# Altium PCB HAWACO_DATALOGER_DT-G2_V1.0.3.PcbDoc (part 3 of 3)
Units mm, origin at the board's own origin, x right, y up, seen from the top; angles counter-clockwise.
Board outline 100 x 100 mm, 4 copper layers (Top Layer, Layer 2, Layer 3, Bottom Layer), stack 1.597 mm thick; 286 components, 202 nets, 954 pads, 1031 vias.
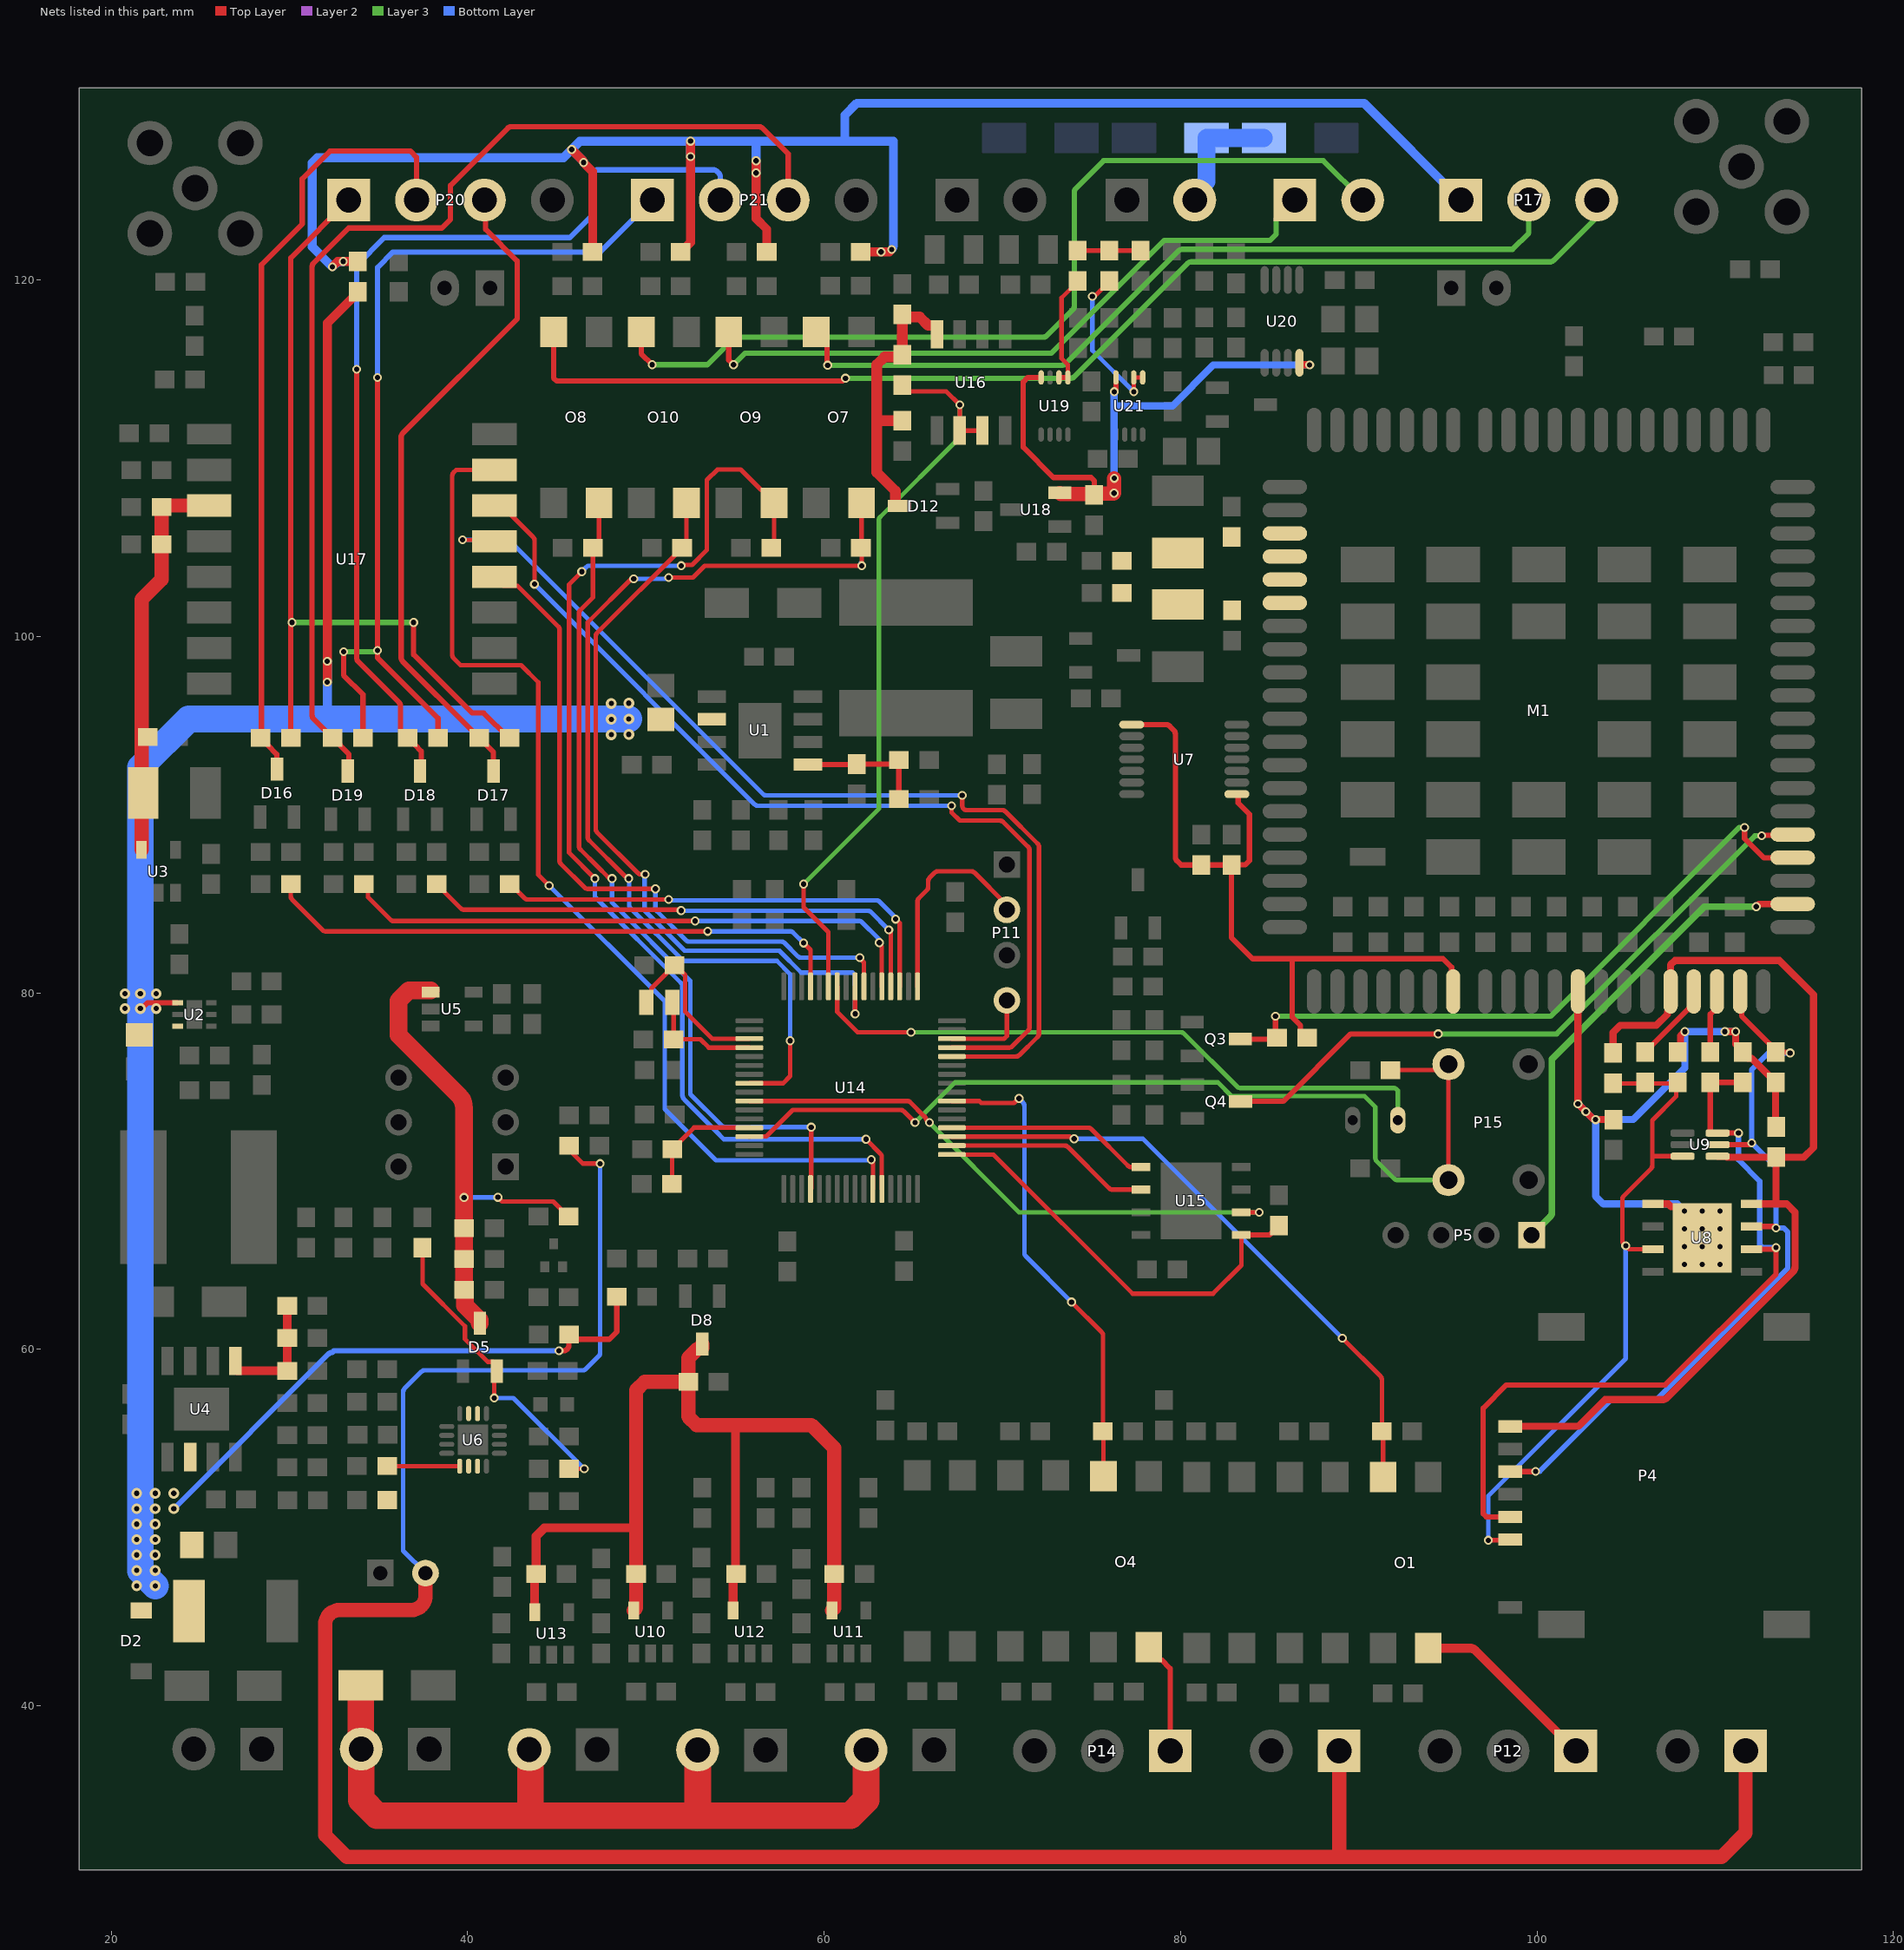
[diagram p5: the nets of this part, all layers, seen from the top]

## Via types
v1: diameter 0.6, hole 0.3, Top Layer to Bottom Layer, tented both sides, 749 vias
v2: diameter 0.5, hole 0.3, Top Layer to Bottom Layer, tented both sides, 282 vias

## Nets (pads, with @x,y where several pads share a name; then routed paths per layer and width w, separated by ;. In a path a pad name is that pad's centre, name@x,y a point inside that pad or via, vN(x,y) a via of type N, cw(c..) or ccw(c..) an arc to the next point about the centre after c; other vN are vias at no path point) (continued)
NetR115_1: R115.1 U19.5 U19.6 | length 6.4
  Top Layer w0.254: U19.5@73.682,114.531 73.682,115.246 73.332,115.596 73.332,118.99 74.239,119.898 R115.1@74.239,119.948
  Top Layer w0.3: U19.6@73.182,114.531 U19.5@73.659,114.531
NetR115_2: R115.2 R116.1 R118.2 | length 3.5
  Top Layer w0.254: R115.2@74.239,121.648 R118.2@75.998,121.648 R116.1@77.757,121.648
NetR118_1: R118.1 U21.5 U21.6 | length 8.9
  Top Layer w0.254: v2(75.057,119.079) 75.066,119.088 75.188,119.088 75.998,119.898 R118.1@75.998,119.948 ; v2(77.378,113.731) U21.6@77.378,114.531 U21.5@77.878,114.531
  Bottom Layer w0.254: v2(75.057,119.079) 75.057,116.051 v2(77.378,113.731)
NTC: R19.1 U6.1 | length 4.1
  Top Layer w0.254: R19.1@35.491,53.451 35.498,53.444 U6.1@39.56,53.444
OPTO1: O7.2 P17.2 | length 46.4
  Top Layer w0.3: O7.2@59.568,117.089 60.168,116.489 60.168,115.25 v2(60.203,115.215)
  Layer 3 w0.3: v2(60.203,115.215) 73.346,115.215 ccw(c73.346,115.515) 73.558,115.303 79.884,121.629 cw(c80.096,121.417) 80.096,121.717 98.633,121.717 99.543,122.626 P17.2@99.543,124.485
OPTO2: O8.2 P17.3 | length 65.9
  Top Layer w0.3: O8.2@44.831,117.089 44.831,114.501 45.007,114.325 61.04,114.325 v2(61.2,114.485)
  Layer 3 w0.3: v2(61.2,114.485) 73.83,114.485 ccw(c73.83,114.785) 74.042,114.573 80.392,120.924 cw(c80.604,120.712) 80.604,121.012 100.723,121.012 ccw(c100.723,121.312) 100.935,121.1 103.265,123.429 ccw(c103.053,123.641) 103.353,123.641 P17.3@103.353,124.485
OPTO3: O9.2 P18.1 | length 37.8
  Top Layer w0.3: O9.2@54.656,117.089 54.656,115.508 v2(54.92,115.243)
  Layer 3 w0.3: v2(54.92,115.243) 55.57,115.893 72.758,115.893 79.089,122.225 85.03,122.225 85.361,122.555 85.361,123.435 P18.1@86.411,124.485
OPTO4: O10.2 P18.2 | length 51.5
  Top Layer w0.3: O10.2@49.743,117.089 49.743,115.86 v2(50.359,115.243)
  Layer 3 w0.3: v2(50.359,115.243) 53.454,115.243 54.911,116.701 cw(c55.123,116.489) 55.123,116.789 72.288,116.789 ccw(c72.288,117.089) 72.5,116.876 73.96,118.336 ccw(c73.747,118.548) 74.047,118.548 74.047,124.926 cw(c74.347,124.926) 74.135,125.138 75.692,126.695 88.011,126.695 P18.2@90.221,124.485
OPTO_IN1: O7.4 R84.1 U14.8 | length 56
  Top Layer w0.254: v2(49.042,86.415) 48.871,86.521 cw(c49.004,86.737) 48.824,86.558 46.817,88.565 cw(c46.996,88.745) 46.742,88.745 46.742,100.784 v2@49.182,103.223 ; v2(51.283,103.302) 52.646,103.302 53.31,103.966 v2(62.119,103.966) 62.119,104.916 R84.1@62.069,104.966 62.108,105.005 O7.4@62.108,107.498 ; U14.8@55.813,74.93 57.703,74.93 58.103,75.33 v2(58.103,77.311)
  Bottom Layer w0.254: v2(49.042,86.415) 49.07,86.3 49.07,84.932 ccw(c49.324,84.932) 49.145,84.752 52.107,81.79 57.355,81.79 58.103,81.041 v2(58.103,77.311) ; v2(49.327,103.226) 51.206,103.226 v2(51.283,103.302) ; v2@62.069,104.139 62.072,104.136 62.072,104.013 v2(62.119,103.966)
OPTO_IN2: O8.4 R93.1 U14.20 | length 47.4
  Top Layer w0.254: O8.4@47.371,107.498 47.371,105.305 R93.1@47.032,104.966 47.032,102.183 46.328,101.478 ccw(c46.507,101.299) 46.253,101.299 46.253,88.227 ccw(c46.507,88.227) 46.328,88.048 47.266,87.109 cw(c47.088,86.929) 47.268,87.108 47.886,86.49 ccw(c48.065,86.669) 48.066,86.415 v2(48.109,86.415) ; U14.20@59.243,69 59.278,69.035 v2(59.278,72.465)
  Layer 2 w0.254: v2@48.057,86.363 v2(48.109,86.415)
  Bottom Layer w0.254: v2(48.109,86.415) 48.109,85.063 52.503,80.67 52.503,74.312 54.275,72.539 ccw(c54.455,72.719) 54.455,72.465 v2(59.278,72.465)
OPTO_IN3: O9.4 R96.1 U14.28 | length 65.7
  Top Layer w0.254: v2(46.406,103.632) 45.694,102.92 45.694,87.866 v2(47.144,86.415) ; v2(51.985,103.966) 52.032,104.013 52.595,104.013 53.429,104.847 53.429,108.774 54.026,109.372 55.322,109.372 56.473,108.221 56.573,108.221 56.617,108.177 56.617,108.077 O9.4@57.196,107.498 57.196,105.122 R96.1@57.04,104.966 ; v2(62.353,71.79) 63.168,70.975 cw(c62.989,70.795) 63.243,70.796 ; U14.28@63.243,69 63.243,70.795
  Bottom Layer w0.254: v2(46.406,103.632) 46.665,103.892 cw(c46.845,103.712) 46.845,103.966 v2(51.985,103.966) ; v2(47.144,86.415) 47.144,85.386 51.974,80.556 cw(c51.795,80.377) 52.049,80.377 52.049,74.312 ccw(c52.503,74.312) 52.182,73.991 53.954,72.218 54.382,71.79 v2(62.353,71.79)
OPTO_IN4: O10.4 R105.1 U14.56 | length 43.3
  Top Layer w0.254: v2(49.96,86.648) 49.731,86.648 cw(c49.731,86.902) 49.551,86.722 47.27,89.004 cw(c47.45,89.183) 47.196,89.181 47.196,100.022 cw(c47.45,100.022) 47.271,100.201 R105.1@52.036,104.966 52.283,105.214 O10.4@52.283,107.498 ; v2(61.743,78.82) U14.56@61.743,80.36
  Bottom Layer w0.254: v2@49.96,86.648 49.956,86.638 ccw(c50.19,86.541) 49.936,86.541 49.936,84.708 ccw(c50.19,84.708) 50.011,84.528 52.176,82.363 57.498,82.363 58.721,81.14 61.595,81.14 61.743,80.991 v2(61.743,78.82)
OSC32IN: C50.2 U14.3 X1.1 | length 9.9
  Top Layer w0.254: X1.1@50.034,79.47 50.307,79.743 50.307,80.251 51.186,81.13 51.186,81.18 51.559,81.553 C50.2@51.609,81.553 51.982,81.18 52.032,81.18 52.211,81.001 52.211,78.947 53.728,77.43 U14.3@55.813,77.43
OSC32OUT: C51.2 U14.4 X1.2 | length 6.5
  Top Layer w0.254: X1.2@51.484,79.47 51.566,79.389 C51.2@51.566,77.398 53.064,77.398 53.532,76.93 U14.4@55.813,76.93
OUTPUT1: D16.3 P20.2 R114.1 | length 44.3
  Top Layer w0.3: R114.1@28.382,94.307 R114.1@28.432,94.307 ; D16.3@29.298,92.347 29.298,93.392 28.782,93.907 28.782,93.957 R114.1@28.432,94.307 ; P20.2@37.135,124.485 37.135,126.892 36.798,127.229 32.277,127.229 30.725,125.676 30.725,123.144 28.432,120.851 R114.1@28.432,94.307
OUTPUT2: D17.3 P20.3 R117.1 | length 37.8
  Top Layer w0.3: P20.3@40.945,124.485 41.011,124.419 41.011,122.835 42.782,121.064 42.782,117.813 36.359,111.389 ccw(c36.571,111.177) 36.271,111.177 36.271,98.815 ccw(c36.571,98.815) 36.359,98.603 40.255,94.707 40.255,94.657 40.605,94.307 R117.1@40.655,94.307 40.705,94.307 41.055,93.957 41.055,93.907 41.449,93.513 D17.3@41.449,92.347
OUTPUT3: D18.3 P21.2 R123.1 | length 55.5
  Top Layer w0.3: v2(33.782,114.986) 33.782,98.792 ccw(c34.082,98.792) 33.87,98.58 36.153,96.297 cw(c35.941,96.085) 36.241,96.085 36.241,94.657 36.591,94.307 R123.1@36.641,94.307 36.691,94.307 37.041,93.957 37.041,93.907 37.398,93.55 D18.3@37.398,92.347
  Bottom Layer w0.3: v2(33.782,114.986) 33.782,120.828 35.328,122.374 45.74,122.374 46.88,123.514 ccw(c46.668,123.726) 46.968,123.726 46.968,125.851 cw(c47.268,125.851) 47.056,126.064 47.081,126.088 cw(c47.293,125.876) 47.293,126.176 53.793,126.176 cw(c53.793,125.876) 54.005,126.088 54.09,126.004 cw(c53.878,125.791) 54.178,125.791 P21.2@54.178,124.485
OUTPUT4: D19.3 P21.3 R124.1 | length 63.6
  Top Layer w0.3: D19.3@33.348,92.347 33.348,93.387 32.851,93.884 32.851,93.934 32.478,94.307 R124.1@32.428,94.307 31.366,95.369 cw(c31.578,95.581) 31.278,95.581 31.278,120.736 cw(c31.578,120.736) 31.366,120.949 33.328,122.911 38.558,122.911 39.04,123.393 39.04,125.298 42.254,128.512 cw(c42.466,128.3) 42.466,128.6 56.34,128.6 cw(c56.34,128.3) 56.552,128.512 57.988,127.076 P21.3@57.988,124.485
PWM1: O1.2 P12.1 | length 10.6
  Top Layer w0.5: O1.2@93.904,43.236 96.212,43.236 cw(c96.212,42.736) 96.567,43.089 P12.1@102.184,37.471
PWM2: O4.2 P14.1 | length 6.4
  Top Layer w0.3: O4.2@78.222,43.287 78.222,43.187 78.822,42.587 78.922,42.587 79.426,42.083 P14.1@79.426,37.471
PWMIN1: O1.4 R54.1 U14.35 | length 35.3
  Top Layer w0.254: U14.35@67.173,71.93 73.808,71.93 v2(74.035,71.815) ; v2(89.078,60.63) 91.226,58.482 cw(c91.047,58.301) 91.301,58.301 ; 91.301,58.301 R54.1@91.301,55.397 91.364,55.335 O1.4@91.364,52.827
  Bottom Layer w0.254: v2(74.035,71.815) 77.892,71.815 v2(89.078,60.63)
PWMIN2: O4.4 R66.1 U14.39 | length 27
  Top Layer w0.254: U14.39@67.173,73.93 68.714,73.93 68.824,73.82 70.667,73.82 70.921,74.074 v2(70.939,74.074) ; v2(73.889,62.653) 75.574,60.967 cw(c75.396,60.787) 75.65,60.787 R66.1@75.65,55.397 75.682,55.365 O4.4@75.682,52.877
  Bottom Layer w0.254: v2(70.939,74.074) 71.166,73.847 cw(c70.986,73.667) 71.24,73.667 71.24,65.407 ccw(c71.494,65.407) 71.315,65.227 v2(73.889,62.653)
PWRKEY: M1.21 Q4.3 | length 37.2
  Top Layer w0.3: Q4.3@83.37,73.91 85.758,73.91 89.547,77.699 v2(94.463,77.699) ; v2(112.614,88.815) 112.649,88.849 114.317,88.849 M1.21@114.351,88.884
  Layer 3 w0.3: v2(94.463,77.699) 101.117,77.699 112.233,88.815 v2(112.614,88.815)
RESET: M1.20 Q3.3 R27.1 | length 37.8
  Top Layer w0.3: Q3.3@83.355,77.404 85.333,77.404 R27.1@85.413,77.485 85.333,77.566 v2(85.333,78.684) ; v2(111.651,89.284) 111.651,88.656 112.724,87.584 M1.20@114.351,87.584
  Layer 3 w0.3: v2(85.333,78.684) 100.757,78.684 111.357,89.284 v2(111.651,89.284)
RS485: R79.1 U14.59 U16.2 U16.3 | length 43.2
  Top Layer w0.254: v2(58.853,86.104) 58.853,84.808 60.243,83.418 U14.59@60.243,80.36 ; R79.1@64.398,114.11 64.76,113.749 66.855,113.749 v2(67.615,112.99) U16.2@67.615,111.549 U16.3@68.885,111.549
  Layer 3 w0.254: v2(58.853,86.104) 63.076,90.327 63.076,106.522 cw(c63.33,106.522) 63.151,106.701 67.54,111.091 ccw(c67.361,111.271) 67.615,111.271 v2(67.615,112.99)
SIM_CLK: M1.16 R40.1 | length 3.6
  Top Layer w0.3: R40.1@109.728,76.674 109.728,78.808 110.101,79.182 M1.16@110.101,80.084
SIM_CLKb: C37.2 P4.3 R40.2 U8.6 U9.6 | length 43.9
  Top Layer w0.3: P4.3@98.501,50.597 97.157,50.597 96.981,50.773 96.981,56.697 98.281,57.997 107.203,57.997 113.417,64.211 v2(113.417,65.706) 113.332,65.621 U8.6@112.044,65.621 ; v2(111.304,72.134) U9.6@110.134,72.134 109.778,72.134 109.728,72.184 R40.2@109.728,74.974 C37.2@111.547,74.974
  Bottom Layer w0.3: v2(111.304,72.134) 111.304,70.634 112.502,69.436 112.502,65.882 112.678,65.706 v2(113.417,65.706)
SIM_DATA: M1.15 R42.1 | length 4.6
  Top Layer w0.3: R42.1@106.07,76.674 106.07,76.724 106.42,77.074 106.47,77.074 108.535,79.139 108.57,79.139 108.801,79.37 M1.15@108.801,80.084
SIM_DATAb: C38.2 P4.7 R39.2 R42.2 U8.3 U9.3 | length 38.4
  Top Layer w0.254: v2(97.269,49.288) 98.462,49.288 P4.7@98.501,49.327 ; R39.2@104.267,74.923 C38.2@107.84,74.923 ; U8.3@106.504,65.621 105.171,65.621 104.792,65.999 104.792,68.422 cw(c105.046,68.422) 104.867,68.602 106.396,70.131 ccw(c106.216,70.311) 106.47,70.311 106.47,70.834 ; C38.2@107.895,74.979 C38.2@107.84,74.923 ; U9.3@108.174,70.834 106.47,70.834 ; 106.47,70.834 106.47,72.851 107.815,74.196 107.815,74.898 C38.2@107.84,74.923
  Bottom Layer w0.254: v2(97.269,49.288) 97.269,51.772 104.982,59.485 v2(104.982,65.81)
SIM_GND: C31.1 C36.1 C37.1 C38.1 M1.10 R41.2 U8.1 U8.9 | length 44.8
  Top Layer w0.4: M1.10@102.301,80.084 v2(102.301,73.771) v2(102.742,73.33) 103.184,72.889 v2(103.292,72.889) R41.2@104.292,72.889 ; U8.1@106.504,68.161 106.508,68.157 107.373,68.157 107.524,68.006 107.824,68.006 109.274,66.556 U8.9@109.274,66.256 ; C38.1@107.895,76.679 108.061,76.844 108.061,77.594 v2(108.295,77.829) ; v2(110.547,77.824) v2(111.147,77.824) 111.147,77.124 111.547,76.724 C37.1@111.547,76.674 111.547,76.624 111.847,76.324 112.047,76.324 113.042,75.329 113.092,75.329 113.392,75.029 C36.1@113.392,74.979 113.392,72.508 C31.1@113.417,72.483
  Bottom Layer w0.4: v2(102.301,73.771) v2(102.742,73.33) 103.184,72.889 v2(103.292,72.889) ; v1(110.274,67.756) v1(109.274,67.756) v1(108.274,67.756) 107.873,68.157 103.731,68.157 103.292,68.596 v2(103.292,72.889) ; v2(111.147,77.824) 111.142,77.829 v2(108.295,77.829) 108.295,75.784 105.401,72.889 v2(103.292,72.889)
  other v1: 108.274,64.756 109.274,64.756 110.274,64.756 108.274,65.756 109.274,65.756 110.274,65.756 108.274,66.756 109.274,66.756 110.274,66.756
SIM_RST: C36.2 M1.17 P4.2 U8.7 U9.5 | length 43.5
  Top Layer w0.3: P4.2@98.501,53.137 99.904,53.137 v2(99.924,53.157) ; U9.5@110.134,71.484 111.947,71.484 v2(112.047,71.584) ; M1.17@111.401,80.084 111.482,80.003 111.482,78.713 113.042,77.153 113.042,77.029 C36.2@113.392,76.679 113.406,76.664 114.166,76.664 v2(114.202,76.629) ; U8.7@112.044,66.891 113.332,66.891 v2(113.417,66.806)
  Bottom Layer w0.3: v2(99.924,53.157) 100.156,53.157 104.175,57.175 106.705,57.175 114.078,64.548 114.078,66.586 113.858,66.806 v2(113.417,66.806) 113.417,70.214 v2(112.047,71.584) 112.047,75.684 112.992,76.629 v2(114.202,76.629)
SIM_VCC: C31.2 M1.14 P4.1 R39.1 U8.8 U9.4 | length 58.7
  Top Layer w0.4: P4.1@98.501,55.677 102.326,55.677 103.825,57.175 107.022,57.175 ccw(c107.022,57.575) 107.305,57.293 114.36,64.347 ccw(c114.078,64.631) 114.478,64.631 114.478,67.695 114.012,68.161 113.417,68.161 ; R39.1@104.267,76.623 104.267,77.773 104.675,78.181 106.703,78.181 107.321,78.8 107.321,78.946 107.501,79.126 M1.14@107.501,80.084 107.501,81.579 107.736,81.813 113.606,81.813 115.519,79.9 115.519,71.323 114.979,70.783 C31.2@113.417,70.783 ; U9.4@110.134,70.834 110.604,70.834 110.655,70.783 C31.2@113.417,70.783 ; U8.8@112.044,68.161 113.417,68.161 ; 113.417,68.161 C31.2@113.417,70.783
SPI1_CLK: U14.55 U17.12 | length 39.4
  Top Layer w0.254: U17.12@41.503,103.343 42.001,102.845 42.798,102.845 45.087,100.557 cw(c44.907,100.377) 45.161,100.377 45.161,87.418 ccw(c45.415,87.418) 45.236,87.239 46.562,85.913 ccw(c46.741,86.092) 46.741,85.838 v2(50.537,85.838) ; v2(62.004,81.978) 62.004,81.946 62.243,81.706 U14.55@62.243,80.36
  Bottom Layer w0.254: v2(50.537,85.838) 50.537,84.772 ccw(c50.791,84.772) 50.612,84.593 52.253,82.952 ccw(c52.432,83.132) 52.432,82.877 57.595,82.878 cw(c57.595,82.623) 57.749,82.826 57.752,82.823 cw(c57.6,82.62) 57.777,82.802 57.778,82.801 58.527,82.052 ccw(c58.706,82.232) 58.706,81.978 v2(62.004,81.978)
SPI1_CS: U14.27 U17.15 | length 59.5
  Top Layer w0.254: U17.15@41.503,109.343 39.366,109.343 39.214,109.191 ccw(c39.394,109.012) 39.14,109.012 39.14,98.964 ccw(c39.394,98.964) 39.214,98.784 39.607,98.391 43.002,98.391 43.967,97.426 43.967,86.631 v2(44.577,86.021) ; v2(62.648,70.643) 62.648,70.576 62.743,70.48 U14.27@62.743,69
  Bottom Layer w0.254: v2(44.577,86.021) 51.062,79.536 51.062,73.486 53.938,70.61 62.615,70.61 v2(62.648,70.643)
SPI1_MISO: U14.44 U17.13 | length 57.6
  Top Layer w0.254: v2(39.717,105.417) U17.13@41.503,105.343 ; U14.44@67.173,76.43 70.775,76.43 ccw(c70.775,76.684) 70.954,76.504 71.985,77.535 ; v2(67.756,91.077) 67.756,90.504 ccw(c68.01,90.504) 68.01,90.25 70,90.25 cw(c70,89.996) 70.18,90.175 71.985,88.37 cw(c71.806,88.19) 72.06,88.19 72.06,77.715 cw(c71.806,77.715) 71.986,77.536
  Bottom Layer w0.254: v2(39.717,105.417) 42.205,105.415 cw(c42.206,105.161) 42.386,105.341 56.575,91.152 ccw(c56.754,91.331) 56.754,91.077 v2(67.756,91.077)
SPI1_MOSI: U14.45 U17.14 | length 54.6
  Top Layer w0.254: U17.14@41.503,107.343 41.805,107.343 cw(c41.805,107.089) 41.985,107.268 43.68,105.573 cw(c43.501,105.393) 43.754,105.417 v2(43.754,102.932) ; v2(67.158,90.5) 67.162,90.496 67.162,90.12 67.619,89.663 69.876,89.663 cw(c69.876,89.409) 70.056,89.588 71.452,88.192 cw(c71.272,88.012) 71.526,88.012 71.526,78.066 cw(c71.272,78.066) 71.452,77.886 70.571,77.005 cw(c70.391,77.184) 70.391,76.93 U14.45@67.173,76.93
  Bottom Layer w0.254: v2(43.754,102.932) 56.111,90.575 ccw(c56.291,90.754) 56.291,90.5 v2(67.158,90.5)
SPI2_CLK: U14.34 U15.6 | length 11.6
  Top Layer w0.254: U14.34@67.173,71.43 73.499,71.43 cw(c73.499,71.176) 73.679,71.355 76.001,69.033 ccw(c76.181,69.213) 76.181,68.959 U15.6@77.774,68.959
SPI2_CS: R61.2 U14.33 U15.1 | length 24.2
  Top Layer w0.254: U14.33@67.173,70.93 69.507,70.93 77.318,63.119 81.82,63.119 83.414,64.713 U15.1@83.414,66.419
  Top Layer w0.3: U15.1@83.414,66.419 84.996,66.419 85.118,66.54 85.172,66.54 85.522,66.89 R61.2@85.522,66.94
SPI2_MISO: U14.10 U15.2 | length 32.2
  Top Layer w0.254: U14.10@55.813,73.93 64.668,73.93 cw(c64.668,73.676) 64.848,73.855 65.63,73.073 cw(c65.281,72.72) 65.751,72.88 ccw(c65.992,72.962) 65.904,72.723 v2(65.913,72.72) ; U15.2@83.414,67.689 v2(84.42,67.689)
  Layer 3 w0.254: v2(65.913,72.72) 70.945,67.689 v2(84.42,67.689)
SPI2_MOSI: U14.36 U15.5 | length 11.5
  Top Layer w0.254: U14.36@67.173,72.43 74.821,72.43 cw(c74.821,72.176) 75.002,72.355 77.054,70.303 ccw(c77.233,70.483) 77.233,70.229 U15.5@77.774,70.229
SWDCLK: P11.2 U14.49 | length 11.8
  Top Layer w0.254: U14.49@65.243,80.36 65.243,85.126 cw(c65.497,85.126) 65.318,85.306 65.771,85.759 ccw(c65.592,85.939) 65.846,85.939 65.846,86.272 cw(c66.1,86.272) 65.921,86.452 66.213,86.744 cw(c66.393,86.565) 66.394,86.819 68.26,86.819 cw(c68.26,86.565) 68.439,86.744 70.18,85.004 70.183,85.001 cw(c70.002,84.822) 70.256,84.823 70.256,84.821 P11.2@70.256,84.658
SWDIO: P11.4 U14.46 | length 5.1
  Top Layer w0.254: U14.46@67.173,77.43 70.108,77.43 70.256,77.579 P11.4@70.256,79.578
TRANS_OUT1: R119.1 U14.61 | length 33.2
  Top Layer w0.254: R119.1@30.082,86.105 30.082,85.415 ccw(c30.336,85.415) 30.156,85.236 30.157,85.235 31.863,83.529 ccw(c32.043,83.709) 32.043,83.455 52.724,83.455 cw(c52.724,83.201) 52.736,83.454 ccw(c52.767,84.03) 52.796,83.454 cw(c52.809,83.201) 52.81,83.455 v2(53.473,83.455) ; v2(58.853,82.798) 59.243,82.408 U14.61@59.243,80.36
  Bottom Layer w0.254: v2(53.473,83.455) 58.091,83.455 cw(c58.091,83.201) 58.271,83.38 v2(58.853,82.798)
TRANS_OUT2: R120.1 U14.51 | length 26.4
  Top Layer w0.254: R120.1@42.355,86.105 cw(c42.139,85.972) 42.393,85.977 42.428,85.977 cw(c42.428,85.723) 42.609,85.902 43.197,85.313 ccw(c43.377,85.492) 43.377,85.238 43.383,85.244 v2(51.281,85.244) ; v2(64.016,84.137) 64.037,84.137 64.243,83.93 U14.51@64.243,80.36
  Bottom Layer w0.254: v2@51.282,85.244 cw(c51.221,84.997) 51.299,85.239 51.409,85.204 ccw(c51.486,85.446) 51.485,85.192 62.943,85.192 cw(c62.943,84.938) 63.123,85.117 63.969,84.272 63.969,84.184 v2(64.016,84.137)
TRANS_OUT3: R125.1 U14.52 | length 29.6
  Top Layer w0.254: R125.1@38.264,86.105 39.628,84.741 ccw(c39.807,84.921) 39.807,84.667 51.828,84.667 cw(c51.828,84.413) v2(51.982,84.615) ; v2(63.633,83.538) 63.633,83.471 63.743,83.36 U14.52@63.743,80.36
  Bottom Layer w0.254: v2(51.982,84.615) ccw(c51.783,84.772) 52.006,84.65 ccw(c52.146,84.861) 52.146,84.607 62.458,84.607 cw(c62.458,84.353) 62.638,84.532 v2(63.633,83.538)